# Altium PCB 400389.PcbDoc (part 4 of 8)
Units mm, origin at the board's own origin, x right, y up, seen from the top; angles counter-clockwise.
Board outline 155 x 63.5 mm, 4 copper layers (Top Layer, Mid-Layer 1, Mid-Layer 2, Bottom Layer), stack 1.508 mm thick; 434 components, 324 nets, 2167 pads, 2226 vias.
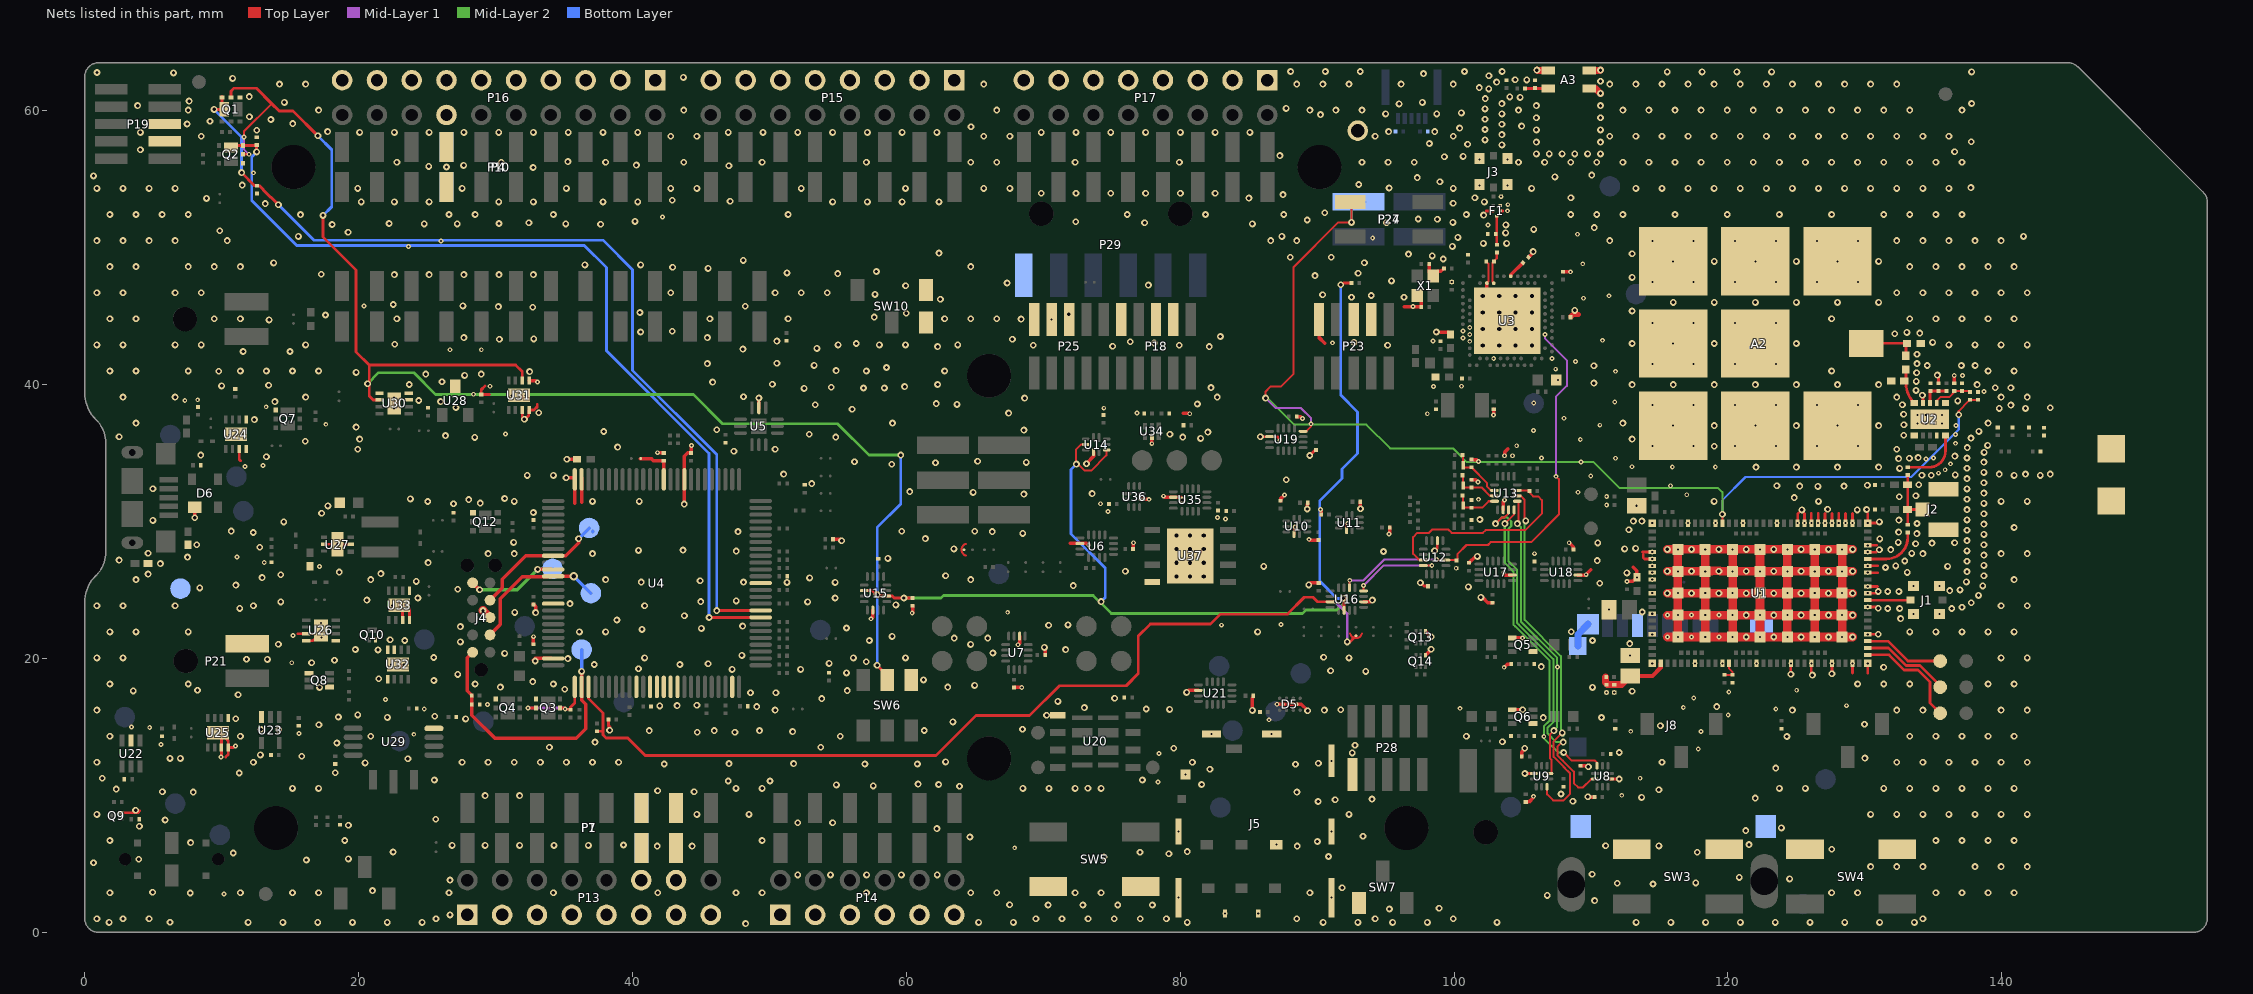
[diagram p6: the nets of this part, all layers, seen from the top]

## Via types
v1: diameter 0.5, hole 0.25, Top Layer to Bottom Layer, tented both sides, 1778 vias
v2: diameter 0.35, hole 0.15, Top Layer to Mid-Layer 1, tented both sides, 369 vias
v3: diameter 0.35, hole 0.15, Top Layer to Mid-Layer 1, tented top, 49 vias
v4: diameter 0.61, hole 0.305, Top Layer to Bottom Layer, tented both sides, 29 vias
v5: diameter 0.5, hole 0.25, Top Layer to Mid-Layer 1, tented both sides, 1 vias

## Nets (pads, with @x,y where several pads share a name; then routed paths per layer and width w, separated by ;. In a path a pad name is that pad's centre, name@x,y a point inside that pad or via, vN(x,y) a via of type N, cw(c..) or ccw(c..) an arc to the next point about the centre after c; other vN are vias at no path point) (continued)
GND: A1.2 A2.2 A3.2 C1.2 C2.2 C3.2 C4.2 C5.2 C6.2 C7.2 C8.2 C9.2 C10.2 C11.1 C14.1 C15.1 C16.1 C17.1 C18.1 C19.1 C20.2 C21.2 C22.1 C23.1 C24.1 C25.1 C26.2 C27.1 C28.2 C29.1 C30.1 C31.2 C32.1 C33.1 C34.1 C35.1 C36.1 C37.2 C38.1 C39.1 C40.2 C41.1 C42.1 C43.1 C44.1 C45.2 C46.2 C47.1 C48.2 C49.2 C50.2 C51.2 C52.2 C53.2 C54.1 C55.1 C56.2 C57.1 C58.1 C59.1 C60.2 C61.2 C62.2 C63.2 C64.2 C65.2 C66.1 C67.2 C68.1 C69.1 C70.1 C71.2 C72.1 C73.2 C74.1 C75.1 C77.1 C78.2 C79.2 C80.1 C81.2 C82.2 C83.2 C84.1 C85.2 C87.1 C88.1 C89.1 C90.1 CR1.1 D5.B1 D5.B2 D6.1 F1.2 F1.3 F1.5 FB2.2 FB3.2 J1.2 J2.2 J3.2 J4.3 J5.0 J5.C5 J8.0 J8.6 J8.9 L2.1 L5.2 P1.6 P1.7 P4.7 P7.6 P7.7 P10.7 P13.1 P13.3 P13.5 P13.7 P13.9 P13.11 P13.12 P13.13 P13.14 P13.15 P14.1 P14.3 P14.5 P14.7 P14.9 P14.11 P15.1 P15.3 P15.5 P15.7 P15.9 P15.11 P15.13 P15.15 P16.1 P16.3 P16.5 P16.7 P16.9 P16.11 P16.13 P16.14 P16.15 P16.17 P16.19 P17.1 P17.3 P17.5 P17.7 P17.9 P17.11 P17.13 P17.15 P18.3 P18.5 P18.9 P19.3 P19.5 P21.1 P23.3 P23.5 P23.9 P25.15 P25.17 P25.19 P28.1 P29.1 pad.3 Q1.1 Q2.1 Q3.1 Q4.1 Q5.1 Q5.4 Q6.1 Q6.4 Q7.1 Q8.1 Q8.4 Q9.2 Q10.2 Q12.1 Q13.1 Q14.1 R5.1 R7.1 R9.1 R13.1 R14.2 R19.2 R39.2 R42.2 R45.1 R46.1 R47.1 R48.1 R49.1 R50.1 R51.1 R52.1 R53.1 R54.1 R68.1 R69.1 R70.1 R71.1 R72.1 R77.1 R78.1 R79.1 R80.1 R81.1 R82.1 R84.1 R85.1 R87.1 R90.1 R93.1 R94.1 R98.1 R100.1 R101.2 R102.1 R105.1 SB27.1 SW3.1 SW4.1 SW5.1 SW6.1 SW7.3 SW10.1 TP42.1 TP51.1 U1.1 U1.5 U1.6 U1.7 U1.8 U1.9 U1.11 U1.14 U1.17 U1.21 U1.27 U1.31 U1.36 U1.41 U1.44 U1.47 U1.50 U1.52 U1.56 U1.60 U1.62 U1.63 U1.65 U1.66 U1.68 U1.69 U1.72 U1.74 U1.75 U1.76 U1.77 U1.78 U1.79 U1.80 U1.81 U1.82 U1.85 U1.90 U1.94 U1.98 U1.103 U2.1 U2.4 U2.6 U2.9 U2.11 U3.74 U3.A8 U3.A10 U3.AD2 U3.B7 U3.B9 U3.B11 U3.F23 U3.H2 U4.9 U4.24 U4.25 U4.41 U4.49 U4.60 U4.62 U4.63 U4.64 U4.65 U4.66 U4.74 U4.88 U5.2 U6.6 U7.6 U8.6 U9.6 U10.6 U11.6 U12.6 U13.6 U14.6 U15.6 U16.6 U17.6 U18.6 U19.6 U20.1 U21.6 U22.2 U23.3 U24.3 U24.4 U24.5 U24.9 U25.3 U25.4 U25.5 U25.9 U26.3 U26.4 U26.5 U26.9 U27.2 U27.5 U27.7 U28.3 U29.4 U30.3 U30.4 U30.5 U30.9 U31.3 U31.4 U31.5 U31.9 U32.3 U32.4 U32.5 U32.9 U33.3 U33.4 U33.5 U33.9 U34.5 U35.6 U36.6 U37.4 U37.9 X1.2 X1.4 | length 221.5
  Top Layer w0.145: C29.1@102.339,48.992 102.499,48.832 102.499,47.516 U3.F23@102.394,47.411
  Top Layer w0.2: v1@97.572,25.527 97.803,25.296 98.066,25.296 C54.1@98.089,25.273 ; R80.1@104.16,14.35 R80.1@104.195,14.315 ; v1(105.173,11.599) U9.6@105.829,11.599 ; U8.6@111.411,11.199 v1@112.042,11.199 ; 113.806,27.546 113.806,27.374 113.916,27.264 v2(114.47,27.264) ; v2(130.21,27.764) 130.831,27.764 v1@130.991,27.924 ; v2(130.21,28.264) 130.875,28.264
  Top Layer w0.203: Q9.2@2.636,8.735 3.869,8.735 4.018,8.883 ; v3(9.957,12.803) 9.978,12.824 U25.3@9.978,13.506 U25.9@9.978,14.331 ; 10.287,12.802 10.478,12.993 U25.4@10.478,13.506 ; U25.9@10.312,14.148 10.478,13.982 U25.4@10.478,13.506 ; v3(11.003,13.615) 10.963,13.615 10.853,13.506 U25.4@10.478,13.506 ; U24.3@11.286,35.299 11.286,34.523 11.367,34.442 ; 15.55,21.798 U26.3@16.172,21.798 U26.9@16.997,21.798 ; U26.4@16.172,21.298 16.65,21.298 16.713,21.361 U26.9@16.942,21.361 ; U27.5@17.478,28.345 U27.2@19.428,28.345 ; U33.3@23.212,22.802 U33.9@23.212,23.627 ; U33.9@23.644,23.677 23.712,23.61 U33.4@23.712,22.802 ; R105.1@26.939,30.65 R105.1@26.955,30.634 ; 29.235,39.903 28.956,39.624 C79.2@28.956,39.275 29.547,39.275 ; U31.3@31.949,38.176 31.949,37.6 32.055,37.495 v1@32.055,37.414 ; v1@32.131,37.44 32.426,37.734 32.426,38.12 U31.4@32.449,38.144 32.81,38.144 33.045,38.379 33.045,38.557 ; v1@85.928,36.19 U19.6@86.436,36.19 ; U19.6@86.525,36.191 87.1,36.191 87.3,35.992 v2@87.3,35.89 ; U10.6@88.319,29.073 88.319,29.518 v2(88.392,29.591) ; v1(89.459,34.823) 89.88,35.245 89.88,35.191 C65.2@89.908,35.219 ; U11.6@92.154,29.352 92.154,29.797 v2(92.227,29.87) ; v1(98.577,27.864) 98.777,28.064 U12.6@98.777,28.606 ; 102.345,52.687 F1.5@102.873,52.687 ; F1.2@103.373,52.687 103.549,52.687 ; 113.766,27.764 v2(114.47,27.764) ; v1@124.59,18.965 v2(124.59,19.644) ; v2(125.09,29.884) 125.09,30.54 v1(125.4,30.849) ; v2(125.59,29.884) 125.59,30.588 ; v1@126.09,18.962 v2(126.09,19.644) ; v2(126.09,29.884) 126.09,30.588 ; v2(126.59,29.884) 126.59,30.588 ; v2(127.09,29.884) 127.09,30.588 ; v1@127.59,18.965 v2(127.59,19.644) ; v2(127.59,29.884) 127.59,30.588 ; v2(128.09,29.884) 128.09,30.588 ; v2(128.59,29.884) 128.59,30.588 ; 129.09,18.94 v2(129.09,19.644) ; v2(129.09,29.884) 129.09,30.588 ; 130.21,18.94 v2(130.21,19.644) ; v2(130.21,21.764) v1@130.914,21.764 ; v2(130.21,23.764) v1@130.914,23.764 ; v2(130.21,24.764) v1@130.914,24.764 ; v2(130.21,25.264) 130.914,25.264 ; v2(130.21,26.264) 130.914,26.264 ; v2(130.21,26.764) 130.914,26.764 ; 130.21,30.588 v2(130.21,29.884) v1@130.914,29.884
  Top Layer w0.229: v2(87.072,16.656) 88.85,16.656 v1@89.297,16.21
  Top Layer w0.25: U3.74@102.394,46.161 U3.F23@102.394,47.411 ; C33.1@105.435,49.304 105.766,49.634 v1(105.766,49.708) ; v1@134.125,39.347 134.247,39.225 U2.4@134.247,38.653 ; v1(135.3,40.697) 135.375,40.622 C15.1@135.375,40.107 ; C17.1@136.525,40.107 v2(136.525,40.657)
  Top Layer w0.254: v1(8.035,30.271) D6.1@8.035,31.033 ; U33.9@23.162,23.677 U33.9@23.644,23.677 ; U31.5@32.449,40.294 32.935,40.294 33.045,40.184 v2(33.071,40.184) ; v1@32.766,19.882 32.885,20.001 U4.49@34.083,20.001 ; C40.2@32.766,21.036 v2(32.766,21.59) ; C39.1@32.766,23.946 32.921,23.791 v1(32.921,23.345) ; v1(35.154,33.198) 35.78,33.198 35.783,33.201 35.783,31.349 35.789,31.344 ; v1(35.204,34.544) 35.205,34.545 C37.2@35.949,34.545 ; U4.24@36.283,33.201 36.283,31.433 36.297,31.42 ; R19.2@38.247,15.545 38.247,15.068 v1@38.329,14.986 ; v2(41.834,35.027) 41.85,35.01 C46.2@42.283,35.01 ; v1(43.783,31.271) 43.783,34.767 44.026,35.01 C44.1@44.283,35.01 44.283,35.571 v2@44.298,35.585 ; U5.2@49.228,38.258 v1(49.228,39.02) ; R39.2@54.641,28.702 55.169,28.702 v1(55.27,28.6) ; v2(57.419,22.897) 57.546,23.024 U15.6@57.546,23.532 ; v2(60.427,23.317) 60.452,23.343 R69.1@60.452,23.846 ; C49.2@67.872,17.883 C49.2@67.872,17.883 v2(68.428,17.882) ; v2(68.145,20.999) 68.272,21.126 U7.6@68.272,21.634 ; v1(70.079,20.803) 70.135,20.746 R45.1@70.135,20.244 ; 71.974,28.4 73.185,28.4 v2(73.312,28.273) ; v1@73.203,34.163 73.203,34.29 73.67,34.757 U14.6@73.67,35.052 ; C48.2@76.555,28 76.555,28.396 76.581,28.422 v2(76.581,28.448) ; U36.6@77.201,31.626 77.721,31.626 v2(77.724,31.623) ; v2(77.927,35.687) U34.5@77.927,36.201 ; v3(78.778,31.852) 78.804,31.852 78.883,31.772 U35.6@79.496,31.772 v1@80.023,31.772 ; 80.219,37.897 80.644,37.897 v3@80.67,37.871 ; v1(80.467,17.526) 80.615,17.674 U21.6@81.325,17.674 ; 85.268,16.485 85.268,17.106 85.322,17.16 85.322,17.266 C68.1@85.33,17.274 ; R50.1@87.325,31.527 87.325,31.648 v2(87.605,31.927) ; R72.1@88.499,37.668 88.773,37.668 v2(88.925,37.516) ; v1@89.281,30.861 89.281,31.262 C52.2@89.312,31.293 ; v1(89.383,25.375) 89.52,25.512 C62.2@90.112,25.512 ; v2(89.408,28.702) 89.464,28.646 R51.1@90.094,28.646 ; P23.9@90.135,44.75 90.135,43.438 90.546,43.027 90.555,43.027 ; v2(90.246,30.886) 90.291,30.841 R52.1@90.291,30.505 ; C53.2@93.147,31.445 93.147,30.841 93.167,30.861 v1(93.167,30.937) ; U16.6@93.393,24.138 v1@93.901,24.138 ; v2@95.306,29.14 R53.1@95.306,29.566 ; 96.368,45.669 C20.2@97.607,45.669 X1.2@97.607,46.178 ; Q13.1@97.913,21.964 97.949,21.964 v1(98.323,21.59) ; Q14.1@97.938,20.285 97.965,20.312 97.986,20.312 98.323,20.649 v1(98.323,20.676) ; C21.2@98.177,48.743 98.177,48.208 98.467,47.918 98.467,47.968 98.765,48.266 99.035,48.266 99.235,48.466 99.25,48.466 99.258,48.474 C26.2@99.258,48.489 ; 99.035,43.815 99.582,43.815 C18.1@99.735,43.662 ; C63.2@101.092,26.98 101.569,27.457 v1(101.702,27.457) ; C57.1@101.27,33.051 101.594,33.051 v2(101.752,32.893) ; C56.2@101.27,34.524 101.645,34.524 v2(101.778,34.392) ; v1(101.956,24.46) 102.073,24.46 102.452,24.082 102.811,24.082 R70.1@102.819,24.074 ; v2(102.87,37.77) 102.87,37.796 102.895,37.821 C28.2@102.895,38.196 ; U13.6@103.584,30.855 103.584,31.448 103.683,31.546 v2(103.683,31.572) ; v2(103.633,26.287) 103.633,26.229 103.62,26.216 103.75,26.085 U17.6@104.258,26.085 ; v3(103.657,19.355) 103.88,19.577 104.163,19.577 104.171,19.585 R78.1@104.171,19.6 ; v2(103.683,34.804) 103.698,34.804 103.706,34.812 103.706,35.075 103.937,35.306 ; Q6.1@104.25,16.25 v1(105,16.25) ; Q5.1@104.25,21.5 v2(105,21.5) ; R48.1@104.947,12.827 104.947,13.165 v1@105.156,13.374 ; R49.1@105.232,9.519 105.469,9.519 105.791,9.841 v2(105.791,9.931) ; C35.1@107.958,48.248 108.495,48.248 v2(108.509,48.235) ; v2(108.407,28.448) 108.71,28.146 108.71,27.973 R71.1@108.718,27.965 ; C36.1@108.497,44.915 108.497,44.93 C36.1@108.552,44.985 ; U18.6@109.042,26.085 109.592,26.085 109.982,26.476 ; C50.2@109.221,12.172 109.656,12.172 v1@109.738,12.09 ; v1@109.785,9.873 110.248,9.873 R46.1@110.256,9.881 ; v2(112.619,25.628) 113.048,25.628 v2(113.347,25.926) 113.347,26.415 113.093,26.668
  Top Layer w0.381: C36.1@108.552,44.985 108.567,44.985 108.692,45.11 109.093,45.11
  Top Layer w0.508: v1(106.042,62.966) 106.079,62.929 A3.2@106.866,62.929 ; A3.2@109.866,61.629 110.328,61.629 v1(110.691,61.266) ; A3.2@109.866,62.929 110.652,62.929 v1(110.691,62.968) ; v2(118.34,27.964) U1.103@118.458,27.964 ; v2(120.34,27.964) U1.103@120.34,27.999
  Top Layer w0.635: v1(29.083,23.496) J4.3@29.591,22.988 ; v2(115.578,21.564) v1(129.102,21.564) ; v2(115.578,23.164) v1(129.102,23.164) ; v1(115.578,24.764) v1(129.102,24.764) ; v1(115.578,26.364) 118.802,26.364 118.838,26.4 119.412,26.4 119.448,26.364 v1(129.102,26.364) ; v1(115.578,27.964) v1(129.102,27.964) ; v2(116.34,21.564) v2(116.34,27.964) ; v2(118.34,21.564) v2(118.34,27.964) ; v2(120.34,21.564) v2(120.34,27.964) ; v2(122.34,21.564) v2(122.34,27.964) ; v2(124.34,21.564) v2(124.34,27.964) ; v2(126.34,21.564) v2(126.34,27.964) ; v2(128.34,21.564) v2(128.34,27.964)
  Bottom Layer w0.508: J8.9@109.04,20.9 109.04,21.75 J8.0@109.79,22.5
  other v1: 48.26,0.636 1.772,0.724 6.223,0.738 11.932,0.724 14.472,0.724 17.012,0.724 19.552,0.724 22.092,0.724 24.632,0.724 65.272,0.724 67.812,0.724 80.512,0.724 90.432,0.724 92.972,0.724 95.512,0.724 98.052,0.724 103.132,0.724 113.292,0.724 115.832,0.724 118.372,0.724 120.912,0.724 123.452,0.724 125.992,0.724 128.532,0.724 131.072,0.724 133.612,0.724 0.883,0.988 2.788,0.988 4.693,0.988 25.648,0.988 69.463,0.988 71.368,0.988 73.273,0.988 75.178,0.988 77.083,0.988 78.988,0.988 88.513,0.988 94.228,0.988 99.943,0.988 134.233,0.988 26.67,1.271 95.275,1.702 98.908,1.753 67.539,2.008 70.352,1.994 72.892,1.994 75.432,1.994 77.972,1.994 110.261,2.311 106.8,2.7 7.696,2.871 1.835,2.893 11.36,2.893 15.17,2.893 17.075,2.893 26.6,2.893 34.22,2.893 41.84,2.893 47.555,2.893 49.46,2.893 57.08,2.893 64.7,2.893 66.605,2.893 72.32,2.893 74.225,2.893 89.465,2.893 127.565,2.893 129.47,2.893 135.185,2.893 137.09,2.893 138.995,2.893 140.9,2.893 4.953,2.922 21.012,3.049 91.821,3.251 114.529,3.531 111.912,3.581 117.653,3.607 26.67,3.811 124.5,3.9 120.828,4.013 52.07,4.192 54.458,4.192 57.099,4.192 59.639,4.192 62.255,4.192 110.084,4.242 130.423,4.798 132.328,4.798 134.233,4.798 138.043,4.798 139.948,4.798 141.853,4.798 0.635,5.081 16.18,5.283 3.937,5.335 19.253,5.359 74.422,5.512 90.83,5.537 79.172,5.74 10.846,5.791 77.064,5.842 117.754,5.842 22.519,5.863 80.518,5.893 127.583,6.063 41.808,6.3 44.348,6.3 88.544,6.299 111.064,6.321 114.958,6.31 26.822,6.351 29.235,6.351 31.75,6.351 34.265,6.351 36.779,6.351 39.345,6.376 121.539,6.401 7.732,6.552 90.018,6.629 1.835,6.703 18.98,6.703 49.46,6.703 135.185,6.703 137.09,6.703 138.995,6.703 140.9,6.703 64.643,6.96 93.345,7.01 121.3,7.425 62.23,7.57 123.9,7.625 3.988,7.747 19.253,7.823 52.07,8.002 54.61,8.002 5.867,8.204 25.629,8.255 0.883,8.608 44.698,8.608 48.508,8.608 92.323,8.608 130.423,8.608 132.328,8.608 134.233,8.608 136.138,8.608 138.043,8.608 139.948,8.608 141.853,8.608 3.708,8.915 90.068,9.55 108.675,9.575 91.313,9.677 94.005,9.728 121.996,9.804 113.69,9.855 109.775,9.9 29.235,9.983 31.75,9.983 107.806,10.103 7.925,10.237 88.519,10.236 5.664,10.263 44.501,10.263 41.834,10.339 114.96,10.414 2.299,10.456 15.17,10.513 17.075,10.513 47.555,10.513 49.46,10.513 68.51,10.513 70.415,10.513 72.32,10.513 73.254,10.516 74.225,10.513 123.755,10.513 125.66,10.513 131.375,10.513 133.28,10.513 135.185,10.513 137.09,10.513 138.995,10.513 140.9,10.513 63.881,10.669 57.582,10.694 54.889,10.771 62.357,10.796 81.559,10.795 60.858,10.82 46.99,11.05 50.038,11.05 25.527,11.125 77.241,11.125 112.067,11.199 1.27,11.254 11.278,11.634 18.288,11.654 82.169,11.913 123.495,11.989 109.804,12.09 88.417,12.268 42.316,12.294 56.972,12.294 60.808,12.294 47.045,12.321 51.765,12.319 90.094,12.344 20.473,12.371 0.883,12.418 12.313,12.418 27.553,12.418 29.458,12.418 31.363,12.418 33.268,12.418 35.173,12.418 37.078,12.418 38.983,12.418 80.893,12.418 115.183,12.418 132.328,12.418 134.233,12.418 136.138,12.418 138.043,12.418 139.948,12.418 141.853,12.418 62.865,12.447 23.6,12.679 6.223,12.701 6.985,12.701 129.997,12.725 15.85,12.852 12.827,12.955 92.558,13.106 112.065,13.132 79.527,13.437 105.156,13.437 33.934,13.513 53.746,13.513 92.761,13.665 18.415,13.827 37.262,13.894 103.53,13.919 124.308,14.3 1.835,14.323 11.36,14.323 20.885,14.323 55.175,14.323 100.895,14.323 133.28,14.323 135.185,14.323 137.09,14.323 138.995,14.323 140.9,14.323 44.729,14.605 47.473,14.605 51.689,14.656 41.224,14.732 45.974,14.732 49.276,14.732 61.301,14.738 38.329,14.757 12.878,14.809 14.164,14.804 68.478,14.834 115.062,15.088 17.094,15.164 129.972,15.189 63.398,15.367 11.024,15.597 27.813,15.584 106.512,15.682 22.098,15.697 110.763,15.69 18.517,15.723 25.552,15.773 70.24,15.851 19.939,15.876 89.306,16.18 85.268,16.205 0.883,16.228 50.413,16.228 90.526,16.231 124.708,16.228 132.328,16.228 134.233,16.228 139.948,16.228 141.853,16.228 91.719,16.256 79.223,16.281 77.521,16.307 73,16.408 49.073,16.485 119.177,16.485 41.986,16.535 43.256,16.561 44.704,16.586 71.069,16.866 53.823,17.069 75.209,17.094 11.201,17.348 48.616,17.501 50.47,17.501 113.005,17.602 3.537,17.633 55.677,17.653 8.23,17.679 35.052,17.755 17.145,17.882 110.109,17.882 30.353,17.907 63.017,17.907 64.984,18.036 1.835,18.133 7.55,18.133 28.505,18.133 34.22,18.133 129.47,18.133 131.375,18.133 133.28,18.133 138.995,18.133 140.9,18.133 32.713,18.307 25.498,18.389 61.25,18.438 21.463,18.518 126.163,18.787 27.233,18.833 124.6,18.85 127.587,18.886 55.626,18.948 93.548,19.05 90.983,19.101 47.269,19.202 52.273,19.202 40.437,19.253 131.369,19.355 106.367,19.4 37.211,19.558 43.459,19.558 45.517,19.609 54.356,19.634 16.561,19.685 57.074,19.761 32.893,19.812 18.237,19.864 11.811,19.94 13.335,19.936 35.281,19.99 0.883,20.038 2.788,20.038 40.888,20.038 56.128,20.038 59.938,20.038 92.323,20.038 139.948,20.038 141.853,20.038 25.48,20.067 90.475,20.091 47.986,20.227 30.658,20.371 66.319,20.396 21.412,20.626 19.761,20.651 71.628,20.65 14.136,21.032 64.694,21.031 112.827,21.082 27.432,21.209 23.368,21.312 57.302,21.311 110.109,21.311 22.301,21.362 63.5,21.488 65.938,21.488 121.34,21.564 123.34,21.564 125.34,21.564 127.34,21.564 58.953,21.615 130.972,21.764 1.835,21.943 3.74,21.943 7.55,21.943 36.125,21.943 38.03,21.943 85.655,21.943 108.56,21.946 133.28,21.943 135.185,21.943 137.09,21.943 138.995,21.943 140.9,21.943 40.691,22.123 45.034,22.2 55.626,22.226 27.432,22.327 48.037,22.36 70.383,22.428 71.806,22.454 38.862,22.809 132.613,22.911 43.79,23.114 121.34,23.164 123.34,23.164 125.34,23.164 127.34,23.164 31.394,23.368 113.741,23.393 11.32,23.652 131.674,23.647 132.537,23.647 136.345,23.647 130.972,23.662 137.093,23.742 0.883,23.848 2.788,23.848 6.598,23.848 12.313,23.848 40.888,23.848 139.948,23.848 141.853,23.848 59.238,23.916 35.433,24.003 137.773,24.068 14.316,24.131 52.788,24.132 44.983,24.155 47.574,24.206 20.6,24.258 94.031,24.257 24.324,24.416 54.796,24.416 138.299,24.608 117.34,24.764 119.34,24.764 121.34,24.764 123.34,24.764 125.34,24.764 127.34,24.764 130.972,24.891 131.674,24.892 132.486,24.892 136.193,24.958 136.946,25.004 27.233,25.048 8.396,25.151 101.041,25.222 138.612,25.294 72.187,25.324 11.04,25.357 110.636,25.496 97.536,25.527 51.283,25.552 54.796,25.557 40.64,25.578 48.108,25.578 137.416,25.594 24.206,25.63 44.933,25.679 3.74,25.753 20.885,25.753 38.03,25.753 64.7,25.753 140.9,25.753 52.934,25.883 12.954,25.909 62.865,26.035 138.691,26.044 14.316,26.116 4.628,26.163 21.621,26.198 112.623,26.248 133.096,26.289 18.583,26.305 137.457,26.347 75.997,26.365 117.34,26.364 119.34,26.364 121.34,26.364 123.34,26.364 125.34,26.364 127.34,26.364 131.504,26.64 86.1,26.719 136.042,26.721 132.249,26.758 138.691,26.798 5.517,26.925 25.072,27.001 137.457,27.101 132.913,27.115 110.45,27.145 2.502,27.179 58.649,27.305 7.5,27.4 138.691,27.552 29.458,27.658 31.363,27.658 37.078,27.658 134.233,27.658 139.948,27.658 141.853,27.658 4.628,27.687 133.42,27.673 94.844,27.813 47.574,27.838 137.457,27.855 40.437,27.889 43.688,27.915 131.064,27.94 117.34,27.964 119.34,27.964 121.34,27.964 123.34,27.964 125.34,27.964 127.34,27.964 131.892,27.951 63.474,28.001 112.45,28.001 113.257,28.034 12.776,28.119 8.181,28.305 138.691,28.306 133.701,28.372 134.899,28.423 110.491,28.439 136.55,28.448 31.318,28.473 132.433,28.476 137.457,28.609 131.089,28.727 61.392,28.753 138.691,29.06 68.504,29.134 133.794,29.121 12.3,29.2 132.466,29.23 47.701,29.261 66.269,29.261 59.665,29.286 64.999,29.286 10.7,29.3 137.457,29.363 112.764,29.4 140.9,29.563 138.691,29.814 133.805,29.855 14.529,29.973 131.064,29.972 113.098,30.028 113.716,30.028 4.978,30.085 132.48,30.105 137.457,30.117 101.879,30.15 138.691,30.568 17.292,30.608 32.766,30.658 129.438,30.849 137.457,30.871 130.13,30.88 89.281,30.912 127.279,30.9 17.755,31.14 26.924,31.293 138.691,31.322 28.88,31.344 25.047,31.462 31.363,31.468 37.078,31.468 40.488,31.471 118.993,31.468 126.613,31.468 139.948,31.468 141.853,31.468 80.162,31.572 28.042,31.598 137.457,31.625 23.774,31.648 30.662,31.679 124.841,31.75 132.505,31.805 133.73,31.88 68.58,32.004 73.569,32.042 138.691,32.076 64.872,32.131 60.249,32.182 137.457,32.379 4.978,32.396 126.568,32.563 125.247,32.588 128.473,32.588 123.571,32.614 130.18,32.652 133.93,32.68 53.086,32.766 138.691,32.83 87.747,33.05 137.457,33.133 32.315,33.373 34.22,33.373 134.163,33.376 134.849,33.376 140.9,33.373 142.805,33.373 136.601,33.401 51.037,33.467 139.814,33.467 141.73,33.467 143.534,33.467 138.691,33.584 132.537,33.884 137.457,33.887 122.047,33.975 125,33.975 128,33.975 131,33.975 58.928,34.177 73.152,34.214 62.128,34.29 68.758,34.315 138.691,34.338 56.21,34.366 65.202,34.402 132.461,34.595 133.248,34.62 137.457,34.641 133.883,34.671 13.264,34.727 136.576,34.773 8.471,34.85 138.709,35.052 47.402,35.128 19.933,35.278 50.413,35.278 132.328,35.278 137.477,35.394 38.913,35.433 119,35.5 138.963,35.56 16.104,35.865 20.066,36.017 113,36.017 81.483,36.068 137.752,36.096 28.473,36.144 54.839,36.17 80.188,36.17 2.502,36.196 85.852,36.195 26.34,36.271 132.836,36.303 52.908,36.373 79.248,36.373 82.017,36.525 37.897,36.576 138.33,36.58 68.58,36.678 46.152,36.703 19.812,36.891 119,37 125,37 131,37 132.847,37.068 3.74,37.183 58.985,37.183 112.325,37.183 138.995,37.183 12.383,37.441 32.106,37.465 132.828,37.838 67.462,37.922 33.147,37.948 56.032,38.202 139.814,38.257 141.73,38.257 143.534,38.304 27.102,38.33 140.664,38.499 53.34,38.532 132.74,38.532 63.696,38.556 81.255,38.583 62.179,38.608 13.881,38.761 25.99,38.758 136.779,38.811 24.384,38.838 68.631,39.014 2.788,39.088 6.598,39.088 16.123,39.088 82.702,39.091 132.328,39.088 139.948,39.088 141.853,39.088 48.108,39.116 134.2,39.222 133.731,39.573 52.527,39.726 56.871,39.751 58.395,39.751 82.245,39.776 139.521,39.769 140.664,39.769 54.508,39.802 59.868,39.853 9.995,39.904 13.424,39.953 23.698,40.006 62.278,40.006 113,40 116,40 119,40 122,40 125,40 128,40 131,40 138.2,39.997 50.216,40.03 110.211,40.107 45.847,40.183 26.086,40.209 133.756,40.234 27.737,40.675 24.899,40.768 28.956,40.762 133.782,40.869 19.812,40.894 32.487,40.945 9.779,40.969 1.835,40.993 3.74,40.993 7.55,40.993 11.36,40.993 13.265,40.993 15.17,40.993 17.075,40.993 57.08,40.993 62.795,40.993 127.565,40.993 138.995,40.993 140.9,40.993 54.864,41.021 58.547,41.25 110.211,41.377 53.264,41.402 134.55,41.397 137.05,41.397 138.05,41.397 45.466,41.529 133.807,41.529 50.546,41.554 133.807,42.215 11.557,42.419 14.986,42.419 48.057,42.596 53.467,42.647 62.278,42.775 82.118,42.774 75.057,42.8 69.266,42.875 79.934,42.875 95.148,42.875 0.883,42.898 2.788,42.898 6.598,42.898 8.503,42.898 16.123,42.898 55.016,42.901 58.033,42.898 59.938,42.898 63.748,42.898 136.138,42.898 138.043,42.898 139.948,42.898 141.853,42.898 22.631,42.951 56.337,43.002 113,43 119,43 125,43 78.105,43.028 92.685,43.078 134.95,43.078 76.352,43.129 50.546,43.18 30.277,43.308 67.742,43.307 32.791,43.333 27.686,43.435 45.466,43.435 82.931,43.51 132.182,43.713 134.01,43.764 133.071,43.815 40.589,43.84 98.704,43.84 42.901,43.892 13.462,44.729 68.377,44.78 1.835,44.803 3.74,44.803 9.455,44.803 11.36,44.803 22.79,44.803 45.65,44.803 51.365,44.803 62.795,44.803 64.7,44.803 66.605,44.803 127.565,44.803 133.28,44.803 135.185,44.803 137.09,44.803 138.995,44.803 140.9,44.803 57.658,44.933 17.577,45.085 71.857,45.136 59.995,45.212 40.538,45.263 113,45.374 108.814,45.419 32.715,45.644 30.201,45.695 48.235,45.72 27.61,45.745 22.53,45.847 116,46 119,46 122,46 125,46 128,46 131,46 62.484,46.228 92.507,46.38 96.342,46.38 93.955,46.507 90.399,46.558 57.709,46.584 0.883,46.708 2.788,46.708 6.598,46.708 8.503,46.708 42.793,46.708 50.413,46.708 52.318,46.708 54.223,46.708 132.328,46.708 134.233,46.708 136.138,46.708 138.043,46.708 139.948,46.708 141.853,46.708 59.944,47.219 77.673,47.269 67.361,47.422 95.428,47.574 113,47.83 89.84,47.955 22.606,48.031 25.146,48.031 27.686,48.031 30.251,48.031 32.766,48.031 17.272,48.057 54.991,48.108 92.989,48.133 51.283,48.158 57.81,48.26 45.517,48.489 42.926,48.565 1.835,48.613 3.74,48.613 7.55,48.613 9.455,48.613 11.36,48.613 64.7,48.613 133.28,48.613 135.185,48.613 137.09,48.613 138.995,48.613 140.9,48.613 36.525,48.743 40.589,48.743 13.789,48.883 93.447,48.895 119,49 125,49 131,49 48.082,49.073 99.212,49.174 88.036,49.301 91.034,49.301 98.4,49.403 96.672,49.53 113,49.55 62.382,49.606 99.873,50.089 102.144,50.311 103.838,50.311 0.883,50.518 2.788,50.518 4.693,50.518 6.598,50.518 10.408,50.518 86.608,50.518 88.513,50.518 111.373,50.518 132.328,50.518 134.233,50.518 136.138,50.518 138.043,50.518 139.948,50.518 100.279,50.749 15.596,50.825 87.427,50.825 141.586,50.821 103.759,51.079 19.228,51.13 9.855,51.234 105.816,51.333 110.236,51.46 103.784,51.664 18.059,51.689 37.668,51.714 24.79,51.74 27.203,51.74 35.128,51.74 85.268,51.74 22.225,51.765 30.251,51.765 32.436,51.816 77.394,51.816 95.072,51.816 99.909,51.844 72.365,51.892 40.183,51.918 89.281,52.019 98.781,52.07 97.384,52.095 102.159,52.375 1.835,52.423 3.74,52.423 5.645,52.423 7.55,52.423 15.756,52.419 26.6,52.423 28.505,52.423 34.22,52.423 51.365,52.423 76.13,52.423 81.845,52.423 87.56,52.423 100.895,52.423 108.515,52.423 110.42,52.423 112.325,52.423 116.135,52.423 119.945,52.423 123.755,52.423 127.565,52.423 131.375,52.423 133.28,52.423 135.185,52.423 137.09,52.423 90.551,52.553 13.183,53.213 99.924,53.238 20.193,53.341 22.606,53.341 25.146,53.341 30.226,53.341 32.766,53.341 37.846,53.341 40.386,53.341 54.61,53.341 57.15,53.341 59.69,53.341 62.383,53.341 102.21,53.34 47.124,53.395 42.901,53.467 8.89,53.595 85.014,53.619 101.524,53.645 108.534,53.645 87.503,53.873 69.85,53.976 72.39,53.976 74.93,53.976 77.47,53.976 80.01,53.976 82.55,53.976 0.883,54.328 2.788,54.328 4.693,54.328 6.598,54.328 19.933,54.328 27.553,54.328 35.173,54.328 42.793,54.328 44.698,54.328 52.318,54.328 59.938,54.328 65.653,54.328 67.558,54.328 99.943,54.328 105.658,54.328 113.278,54.328 115.183,54.328 117.088,54.328 118.993,54.328 120.898,54.328 122.803,54.328 124.708,54.328 126.613,54.328 128.518,54.328 130.423,54.328 132.328,54.328 134.233,54.328 136.138,54.328 95.25,54.356 137.744,54.381 11.496,54.566 93.04,54.611 98.958,54.813 97.307,55.118 107.366,55.169 0.635,55.246 110.058,55.296 32.741,55.855 26.416,55.891 25.121,55.931 47.041,55.982 27.661,56.007 40.284,56.032 22.79,56.233 30.41,56.233 38.03,56.233 43.745,56.233 49.46,56.233 57.08,56.233 64.7,56.233 66.605,56.233 72.32,56.233 79.94,56.233 93.275,56.233 95.18,56.233 97.085,56.233 104.705,56.233 106.61,56.233 108.515,56.233 110.42,56.233 112.325,56.233 114.23,56.233 116.135,56.233 118.04,56.233 119.945,56.233 121.85,56.233 123.755,56.233 125.66,56.233 127.565,56.233 129.47,56.233 131.375,56.233 133.28,56.233 135.185,56.233 137.09,56.233 35.281,56.286 99.289,56.642 100.658,56.667 87.274,56.718 106.009,56.846 106.949,56.846 107.888,56.846 108.811,56.846 109.751,56.846 110.691,56.846 136.55,57 4.064,57.151 103.49,57.505 100.988,57.556 98.196,57.607 106.009,57.71 110.691,57.71 137.77,57.734 102.256,57.874 8.503,58.138 42.793,58.138 44.698,58.138 65.653,58.138 67.558,58.138 94.228,58.138 99.943,58.138 111.373,58.138 113.278,58.138 115.183,58.138 117.088,58.138 118.993,58.138 120.898,58.138 122.803,58.138 124.708,58.138 126.613,58.138 128.518,58.138 130.423,58.138 132.328,58.138 134.233,58.138 136.138,58.138 103.49,58.259 4.064,58.421 20.066,58.421 22.606,58.421 25.146,58.421 27.686,58.421 30.226,58.421 32.766,58.421 35.306,58.421 37.846,58.421 40.386,58.421 46.99,58.421 49.53,58.421 52.07,58.421 54.61,58.421 57.15,58.421 59.69,58.421 62.23,58.421 69.85,58.421 72.39,58.421 74.93,58.421 77.47,58.421 80.01,58.421 82.55,58.421 85.09,58.421 17.729,58.472 95.219,58.472 98.583,58.472 12.562,58.579 106.009,58.599 110.691,58.599 102.256,58.628 100.404,58.734 64.719,58.826 104.927,58.877 103.49,59.013 7.467,59.031 15.189,59.055 9.144,59.233 13.589,59.36 102.256,59.382 106.009,59.488 110.691,59.488 12.02,59.564 90.246,59.715 94.996,59.766 98.73,59.766 103.49,59.767 100.533,59.842 7.55,60.043 17.075,60.043 43.745,60.043 66.605,60.043 89.465,60.043 91.37,60.043 93.275,60.043 104.705,60.043 112.325,60.043 114.23,60.043 116.135,60.043 118.04,60.043 119.945,60.043 121.85,60.043 123.755,60.043 125.66,60.043 127.565,60.043 129.47,60.043 131.375,60.043 133.28,60.043 137.09,60.043 102.256,60.136 87.732,60.173 3.861,60.377 106.009,60.377 110.691,60.377 95.987,60.503 103.49,60.521 137.795,60.528 14.58,60.604 97.688,60.604 7.62,60.707 102.271,60.89 104.825,60.977 104.062,61.012 12.014,61.036 102.532,61.597 101.84,61.692 14.218,61.948 16.123,61.948 65.653,61.948 88.513,61.948 90.418,61.948 92.323,61.948 96.133,61.948 99.943,61.948 111.373,61.948 113.278,61.948 115.183,61.948 117.088,61.948 118.993,61.948 120.898,61.948 122.803,61.948 124.708,61.948 126.613,61.948 128.518,61.948 130.423,61.948 132.328,61.948 103.104,62.089 110.691,62.155 104.452,62.262 105.306,62.256 10.795,62.358 43.713,62.434 102.54,62.56 97.765,62.713 6.477,62.764 0.889,62.79 115.57,62.841 118.11,62.841 120.65,62.841 123.19,62.841 137.795,62.84 88.061,62.864 90.601,62.864 93.141,62.864 100.761,62.864 103.502,62.864
  other v2: 83.259,1.377 85.699,1.377 79.884,2.527 91.059,2.527 10.16,2.795 87.019,6.397 79.884,7.377 91.059,7.377 112.243,10.008 78.367,10.974 113.589,11.252 80.384,11.527 91.059,12.527 117.831,13.386 5.563,13.717 106.553,14.3 24.027,14.457 82.279,14.477 86.679,14.477 15.646,14.529 118.034,14.656 112.903,14.681 3.404,14.987 86.487,15.521 120.015,15.875 24.79,16.307 123.495,16.307 100.432,16.358 116.738,16.408 128.65,16.55 29.413,16.637 21.971,16.993 117.5,17.12 111.136,17.507 111.696,17.507 120.066,17.551 125.019,17.678 107.544,19.38 22.352,19.559 23.292,19.559 114.47,19.644 117.59,19.644 119.59,19.644 122.09,19.644 15.113,19.686 112.861,20.228 17.272,21.54 117.34,21.564 119.34,21.564 15.215,21.667 114.47,21.764 83.007,22.428 87.351,22.479 17.247,22.582 116.34,23.164 117.34,23.164 118.34,23.164 119.34,23.164 120.34,23.164 122.34,23.164 124.34,23.164 126.34,23.164 128.34,23.164 133.55,23.239 135.45,23.239 114.47,23.264 67.399,23.37 111.315,23.56 22.454,23.852 23.419,23.902 114.47,24.764 116.34,24.764 118.34,24.764 120.34,24.764 122.34,24.764 124.34,24.764 126.34,24.764 128.34,24.764 133.55,25.289 135.45,25.289 114.47,25.764 114.47,26.264 116.34,26.364 118.34,26.364 120.34,26.364 122.34,26.364 124.34,26.364 126.34,26.364 128.34,26.364 100.152,26.588 17.145,26.721 114.47,26.764 13.106,27.001 11.115,27.414 105.877,27.65 18.453,28.345 95.25,29.083 114.47,29.884 117.09,29.884 119.09,29.884 121.09,29.884 123.59,29.884 83.312,30.175 82.728,30.302 74.727,30.734 113.335,31.152 111.145,31.217 74.171,31.298 101.778,31.623 111.145,31.826 116.992,31.953 109.058,32.139 115.799,32.614 109.982,33.325 135.382,33.528 135.865,33.782 115.937,33.987 119.077,33.987 11.697,34.011 113,34 13.018,34.087 136.246,34.214 109.261,34.344 134.468,34.569 111.785,34.62 106.387,34.632 135.001,34.646 104.267,34.804 114.5,35.5 117.5,35.5 120.5,35.5 123.5,35.5 126.5,35.5 129.5,35.5 104.572,35.535 44.298,35.56 136.627,35.712 87.274,35.916 109.22,35.992 10.554,36.348 136.627,36.347 11.443,36.374 30.734,36.398 105.791,36.652 116,37 122,37 128,37 136.652,37.008 110.642,37.033 17.6,37.1 133.847,37.165 134.447,37.165 135.047,37.165 135.647,37.165 108.026,37.541 133.847,37.765 134.447,37.765 135.047,37.765 135.647,37.765 98.044,37.871 22.589,38.253 13.246,38.379 114.5,38.5 117.5,38.5 120.5,38.5 123.5,38.5 126.5,38.5 129.5,38.5 105.816,38.659 111.735,38.735 7.303,38.837 8.242,38.888 22.589,39.066 31.166,39.219 32.199,39.219 28.397,39.295 138.7,39.497 29.591,39.879 107.58,40.343 137.125,40.672 111.785,40.97 107.417,41.123 114.5,41.5 117.5,41.5 120.5,41.5 123.5,41.5 108.864,41.681 107.144,41.911 26.67,42.546 28.956,42.546 116,43 122,43 101.144,43.161 98.45,43.18 110.846,43.231 100.644,43.411 100.644,43.911 114.5,44.5 117.5,44.5 120.5,44.5 123.5,44.5 70.612,44.75 20.396,45.745 109.449,46.304 111.303,46.482 99.83,47.486 114.5,47.5 117.5,47.5 120.5,47.5 123.5,47.5 126.5,47.5 129.5,47.5 109.398,48.819 116,49 122,49 128,49 114.5,50.5 117.5,50.5 120.5,50.5 123.5,50.5 126.5,50.5 129.5,50.5 109.017,50.978 103.899,52.691 103.924,53.141 103.42,53.723
  other v3: 67.908,6.17 78.451,13.055 9.296,14.555 10.16,14.581 4.737,14.957 109.646,26.115 80.696,37.871 76.835,37.922 74.422,38.278 98.501,39.853 100.533,39.878 102.894,41.911 91.11,43.053 101.144,43.661 101.144,44.161 97.003,45.695 23.647,50.089 26.01,50.495 94.056,50.698 102.466,51.646 42.189,52.248 101.852,54.535 103.898,54.55 12.311,55.465 101.848,56.45 103.898,56.45
  other v4: 79.721,25.983 80.721,25.983 81.721,25.983 79.721,26.983 80.721,26.983 81.721,26.983 79.721,27.983 80.721,27.983 81.721,27.983 79.721,28.983 80.721,28.983 81.721,28.983 102.094,42.861 103.294,42.861 104.494,42.861 105.694,42.861 102.094,44.061 103.294,44.061 104.494,44.061 105.694,44.061 102.094,45.261 103.294,45.261 104.494,45.261 105.694,45.261 102.094,46.461 103.294,46.461 104.494,46.461 105.694,46.461
GPS_EN: P24.1 P27.2 R8.1 R9.2 U1.93 U19.16 | length 88
  Top Layer w0.15: v1(86.233,39.014) 86.233,39.498 86.58,39.845 87.33,39.845 88.278,40.794 88.278,48.585 91.534,51.841 v1(92.507,51.841) 92.507,52.915 P24.1@92.933,53.341 ; U19.16@88.975,36.591 89.209,36.591 89.56,36.943 v2(89.56,37.135) ; U1.93@119.59,29.884 v1(119.59,30.531) ; v1(136.855,37.795) 136.855,38.067 137.6,38.812 137.6,38.827 137.66,38.887 R8.1@137.675,38.887 R9.2@138.25,38.887
  Mid-Layer 1 w0.15: v1(86.233,39.014) 86.97,38.278 88.818,38.278 89.56,37.535 v2(89.56,37.135)
  Mid-Layer 2 w0.15: v1(86.233,39.014) 86.328,39.014 86.441,38.901 86.491,38.901 88.316,37.076 93.592,37.076 95.326,35.341 99.917,35.341 100.901,34.356 110.176,34.356 112.072,32.46 119.268,32.46 119.59,32.138 v1(119.59,30.531)
  Bottom Layer w0.15: v1(92.507,51.841) 92.507,53.29 92.456,53.341 P27.2@93.028,53.341 P27.2@93.536,53.341 ; v1(119.59,30.531) 119.59,31.554 121.285,33.249 133.382,33.249 136.855,36.722 v1(136.855,37.795)
GPS_RF1: C12.2 U1.67 | length 4.2
  Top Layer w0.203: U1.67@130.21,27.264 131.565,27.264 ccw(c131.565,28.829) 133.13,28.829 C12.2@133.13,29.195
GPS_RF2: C12.1 C13.2 J2.1 L3.2 L4.1 | length 4.7
  Top Layer w0.203: L4.1@133.105,30.88 L4.1@133.13,30.88 ; C12.1@133.13,29.765 L4.1@133.13,30.88 ; C13.2@133.13,33.397 133.13,32.68 L4.1@133.13,30.88 ; J2.1@134.205,30.88 L4.1@133.13,30.88
GPS_RF3: C13.1 U2.10 | length 4.6
  Top Layer w0.203: C13.1@133.13,33.967 134.696,33.967 ccw(c134.696,35.16) 135.89,35.16 U2.10@135.89,36.277
GPS_RF4: L5.1 R4.1 U2.5 | length 2.6
  Top Layer w0.203: R4.1@133,41.125 133,40.109 ccw(c135.06,40.109) U2.5@133.603,38.653
GPS_RF7: A2.1 C85.1 R4.2 | length 4
  Top Layer w0.191: A2.1@130.1,43 130.12,43.02 133.08,43.02 cw(c133.08,43) 133.1,43 ccw(c133.1,42.9) 133,42.9 R4.2@133,42.075
I\F\_\M\C\U\_\D\I\S\C\O\N\N\E\C\T\: Q1.2 Q2.2 R11.2 R69.2 SW6.2 U14.4 U14.8 U15.2 U15.10 U16.2 U30.6 U31.6 | length 187.1
  Top Layer w0.145: U14.4@73.101,35.621 72.746,35.621 72.39,35.265 72.39,34.343 73.017,33.715 73.492,33.715 74.601,34.825 74.601,35.184 U14.8@74.638,35.221
  Top Layer w0.15: Q2.2@11.552,56.821 v2(11.982,56.821) ; v3(11.622,58.091) 11.622,58.486 13.648,60.512 13.657,60.512
  Top Layer w0.203: Q1.2@10.677,61.042 10.677,61.427 10.897,61.647 12.522,61.647 13.657,60.512 14.199,59.97 15.215,59.97 17.013,58.172 v1(17.023,58.172) ; v1(17.399,52.353) 17.399,50.773 19.812,48.36 19.812,42.394 20.777,41.428 ; U30.6@21.515,38.881 21.064,38.881 20.777,39.168 20.777,41.428 ; U31.6@31.949,40.294 31.949,40.946 31.467,41.428 20.777,41.428 ; U15.2@56.921,24.957 57.48,24.957 v1@57.82,24.617 ; v1(57.866,19.502) 58.611,18.757 SW6.2@58.611,18.438 ; v1@57.88,24.557 58.971,24.557 59.112,24.416 v1(59.817,24.416) R69.2@60.452,24.416 ; v1@91.927,47.422 R11.2@92.501,47.422 ; U16.2@91.968,23.513 v1@91.968,24.38
  Mid-Layer 1 w0.15: v3(11.622,58.091) 11.622,57.181 v2(11.982,56.821)
  Mid-Layer 2 w0.203: v1(20.65,40.057) 21.463,40.87 24.027,40.87 25.626,39.271 44.442,39.271 46.577,37.137 54.978,37.137 57.267,34.849 v1(59.588,34.849) ; v1(59.817,24.416) 62.532,24.416 62.72,24.604 73.643,24.604 74.967,23.281 88.93,23.281 89.187,23.538 91.432,23.538 91.912,24.018 91.912,24.374 v1(91.923,24.385)
  Bottom Layer w0.203: v1(17.023,58.172) 17.023,58.162 18.034,57.151 18.034,52.988 v1(17.399,52.353) ; v1(57.866,19.502) v1(57.866,24.663) 57.866,29.564 59.588,31.286 v1(59.588,34.849) ; v1(72.415,34.188) 72.017,33.79 72.017,29.1 74.523,26.594 74.523,24.46 v1(74.219,24.155) ; v1(91.719,47.295) 91.719,39.229 92.946,38.003 92.946,34.96 91.818,33.832 91.818,33.149 90.194,31.525 90.194,25.642 91.451,24.385 v1(91.923,24.385)
IFSel0: Q2.3 R14.1 U4.83 | length 67.1
  Top Layer w0.203: Q2.3@10.677,57.296 10.852,57.471 Q2.3@11.552,57.471 Q2.3@11.622,57.471 ; Q2.3@11.627,57.471 12.531,57.471 R14.1@12.546,57.485 ; v1(12.546,56.993) R14.1@12.546,57.485 ; R14.1@12.562,57.501 R14.1@12.546,57.485 ; v1@45.593,23.001 45.595,22.999 49.989,22.999 U4.83@49.991,23.001
  Bottom Layer w0.203: v1(12.546,56.993) 12.546,56.977 12.192,56.623 12.192,53.451 15.477,50.166 36.473,50.166 38.1,48.539 38.1,42.472 45.593,34.979 v1(45.593,22.988)
IFSel1: Q1.3 R13.2 U4.84 | length 69.3
  Top Layer w0.203: v1(9.44,60.097) Q1.3@10.187,60.097 Q1.3@10.202,60.097 ; Q1.3@10.027,60.272 Q1.3@10.027,60.972 Q1.3@10.027,61.042 ; v1(11.449,55.483) 12.407,54.525 R13.2@12.584,54.525 12.745,54.525 13.036,54.234 13.036,54.201 13.56,53.677 13.593,53.677 v1(14.136,53.134) ; v1(46.148,23.496) 46.153,23.501 U4.84@49.358,23.501 U4.84@49.483,23.501
  Bottom Layer w0.203: v1(9.44,60.097) 11.449,58.088 v1(11.449,55.483) ; v1(14.136,53.134) 16.723,50.547 37.846,50.547 40.005,48.388 40.005,41.032 46.148,34.889 v1(46.148,23.496)
IMCU_BOOT: R83.1 SB19.2 U4.53 U16.15 | length 69
  Top Layer w0.203: U4.53@36.783,17.801 36.783,17.066 37.846,16.003 37.846,14.681 ; R83.1@37.414,14.676 37.84,14.676 37.846,14.681 ; v2(91.324,24.138) U16.15@90.943,24.138 90.035,24.138 89.705,24.468 89.06,24.468 87.826,23.233 82.928,23.233 82.216,22.521 77.817,22.521 76.937,21.641 76.937,18.889 76.058,18.01 71.173,18.01 68.998,15.836 65.078,15.836 62.157,12.915 40.934,12.915 39.65,14.199 38.075,14.199 37.846,14.427 37.846,14.681 ; v1(92.202,21.209) 92.387,21.209 92.688,21.51 SB19.2@92.837,21.659
  Mid-Layer 1 w0.203: v2(91.324,24.138) 92.202,23.26 v1(92.202,21.209)
IMCU_RESET: C47.2 J4.10 R25.1 TP17.1 U4.52 | length 20.1
  Top Layer w0.254: J4.10@28.321,20.448 27.917,20.044 27.917,17.649 R25.1@28.262,17.304 28.262,15.866 29.955,14.173 35.889,14.173 36.595,14.88 36.595,16.643 36.283,16.955 U4.52@36.283,17.926 v1(36.283,19.05)
  Bottom Layer w0.254: v1(36.283,19.05) TP17.1@36.283,20.65
IMCU_SWDCLK: J4.4 TP18.1 U4.34 | length 10
  Top Layer w0.254: J4.4@29.591,24.258 30.48,25.147 30.48,25.782 32.199,27.501 35.121,27.501 36.068,28.448 v1(36.068,28.746)
  Bottom Layer w0.254: v1(36.068,28.746) TP18.1@36.83,29.508 ; TP18.1@37.084,29.254 TP18.1@37.084,29.275
IMCU_SWDIO: J4.2 TP16.1 U4.37 | length 10.8
  Top Layer w0.254: J4.2@29.591,21.718 30.353,22.48 30.353,24.365 31.948,25.96 34.042,25.96 34.083,26.001 v4(35.715,26.001)
  Bottom Layer w0.254: v4(35.715,26.001) 35.722,26.001 TP16.1@36.957,24.766
IMCU_SWO: J4.6 TP19.1 U4.36 | length 7.7
  Top Layer w0.254: J4.6@28.321,25.528 v1(28.829,25.02) ; v1(33.067,26.501) U4.36@34.083,26.501
  Mid-Layer 2 w0.254: v1(28.829,25.02) 31.586,25.02 v1(33.067,26.501)
  Bottom Layer w0.254: v1(33.067,26.501) 34.12,26.501 TP19.1@34.163,26.544
INT_EXT: R65.1 U12.11 U13.11 | length 15.6
  Top Layer w0.15: U12.11@97.752,27.181 97.471,27.181 97.009,27.643 97.009,28.861 97.322,29.174 98.17,29.174 98.413,29.418 99.572,29.418 99.817,29.173 102.107,29.173 102.305,29.371 105.203,29.371 106.411,30.578 106.411,31.566 106.135,31.842 105.776,31.842 105.453,32.164 105.337,32.28 U13.11@104.609,32.28
IOEXP_EN: R54.2 U3.AC9 U12.2 U16.10 | length 32.3
  Top Layer w0.15: U16.10@92.368,25.163 92.374,25.169 92.374,25.699 v2(92.38,25.705) ; v2@98.73,27.181 U12.2@99.402,27.181 100.155,27.181 100.259,27.286 100.259,27.637 100.909,28.288 102.473,28.288 102.677,28.491 105.633,28.491 107.655,30.513 107.655,33.087 v2(107.442,33.299)
  Mid-Layer 1 w0.15: v2(92.38,25.705) 93.382,25.705 94.906,27.229 v2(98.73,27.229) ; v3(106.644,43.661) 106.644,43.354 108.23,41.768 108.23,39.916 107.438,39.124 107.438,33.358 107.442,33.354 v2(107.442,33.299)
IOEXP_IRQ: U12.12 U16.8 | length 6.6
  Top Layer w0.15: U16.8@93.393,24.938 v2(93.393,25.327) ; U12.12@97.752,26.781 98.358,26.781 v2(98.374,26.797)
  Mid-Layer 1 w0.15: v2(93.393,25.327) 94.863,26.797 v2(98.374,26.797)
LED1_EXT: U8.2 U13.7 | length 27.1
  Top Layer w0.15: v1(103.022,29.845) 103.472,30.295 103.678,30.295 103.949,30.567 103.949,30.586 103.984,30.621 U13.7@103.984,30.855 ; v1(107.975,13.894) 107.874,13.894 107.544,13.564 107.544,12.937 107.944,12.536 107.946,12.536 108.75,11.732 108.75,10.888 109.055,10.583 109.416,10.583 110.017,11.185 110.259,11.185 U8.2@110.273,11.199
  Mid-Layer 2 w0.15: v1(103.022,29.845) 103.472,30.295 103.895,30.295 104.173,30.017 104.173,29.684 104.158,29.67 104.158,29.659 103.974,29.474 103.974,27.098 104.606,26.466 104.606,22.587 104.733,22.46 107.25,19.943 107.25,15.353 106.825,14.928 106.825,14.536 107.467,13.894 v1(107.975,13.894)
LED2_EXT: U8.10 U13.8 | length 23.4
  Top Layer w0.15: v1(103.708,29.845) 104.371,30.508 104.371,30.842 U13.8@104.384,30.855 ; v1(108.001,13.132) 108.592,12.54 110.294,12.54 110.428,12.407 110.428,12.182 U8.10@110.442,12.168
  Mid-Layer 2 w0.15: v1(103.708,29.845) 103.699,29.836 103.699,26.984 104.331,26.352 104.331,22.473 104.458,22.346 106.975,19.829 106.975,15.467 106.55,15.042 106.55,14.175 107.593,13.132 v1(108.001,13.132)
LED3_EXT: U9.2 U13.9 | length 21.6
  Top Layer w0.15: U13.9@104.609,31.48 104.662,31.48 104.694,31.448 104.694,29.942 v1@104.623,29.87 ; U9.2@106.967,11.599 107.075,11.599 107.11,11.634 107.11,12.592 106.994,12.709 106.994,14.435 v1(107.292,14.733)
  Mid-Layer 2 w0.15: v1(104.623,29.845) 104.881,29.587 104.881,22.701 107.525,20.057 107.525,14.966 v1(107.292,14.733) ; v1@104.623,29.87 v1@104.635,29.858
LED4_EXT: U9.10 U13.10 | length 26.9
  Top Layer w0.15: U13.10@104.609,31.88 104.843,31.88 104.878,31.845 104.898,31.845 105.134,31.609 105.134,30.146 v1(105.232,30.048) ; U9.10@106.798,10.63 106.798,10.071 107.235,9.633 108.001,9.633 108.455,10.088 108.455,11.636 108.095,11.996 108.095,11.997 107.832,12.261 107.83,12.261 107.269,12.823 107.269,13.941 v1(107.895,14.568)
  Mid-Layer 2 w0.15: v1(105.232,30.048) 105.156,29.972 105.156,22.815 107.8,20.171 107.8,14.663 v1(107.895,14.568) ; v1@108.001,14.351 v1@108.001,14.568
LTE_RF1: J1.1 U1.61 | length 3.1
  Top Layer w0.191: U1.61@130.21,24.264 J1.1@133.34,24.264
MAGPIO0: TP5.1 U1.55 | length 5.9
  Top Layer w0.203: U1.55@130.21,21.264 131.682,21.264 133.136,19.81 TP5.1@135.5,19.81
MAGPIO1: TP6.1 U1.54 | length 6.6
  Top Layer w0.203: U1.54@130.21,20.764 131.718,20.764 133,19.482 134.018,19.482 TP6.1@135.595,17.905
MAGPIO2: TP7.1 U1.53 | length 8
  Top Layer w0.203: U1.53@130.21,20.264 131.754,20.264 132.864,19.154 133.882,19.154 134.747,18.289 134.747,16.753 TP7.1@135.5,16 ; TP7.1@135.547,16.048 TP7.1@135.595,16
MCU_LED: Q3.2 Q3.5 R17.1 U4.51 | length 5.9
  Top Layer w0.203: v2(32.36,16.383) Q3.2@32.965,16.383 ; Q3.5@34.715,16.383 35.005,16.383 v2(35.081,16.307) 35.103,16.285 R17.1@35.458,16.285 ; R17.1@35.458,16.262 R17.1@35.458,16.285 ; U4.51@35.783,17.926 35.783,16.758 35.458,16.434 R17.1@35.458,16.285
  Mid-Layer 1 w0.203: v2(32.36,16.383) 35.005,16.383 v2(35.081,16.307)
NetA1_1: A1.1 C86.2 L2.2
NetA3_1: A3.1 C32.2 L11.2 | length 1.6
  Top Layer w0.191: L11.2@105.23,61.627 A3.1@106.865,61.627
NetC7_1: C7.1 C8.1 C9.1 R3.2 U1.22 | length 5.3
  Top Layer w0.305: C9.1@112.861,18.728 114.486,18.728 115.09,19.332 U1.22@115.09,19.644
  Top Layer w0.5: R3.2@111.05,18.65 111.05,18.25 111.19,18.11 112.243,18.11 C9.1@112.861,18.728
NetC10_1: C10.1 R2.2 U1.32 | length 1.5
  Top Layer w0.15: R2.2@119.761,18.802 C10.1@120.345,18.802 120.345,18.999 120.09,19.254 U1.32@120.09,19.644
NetC14_2: C14.2 C15.2 R6.1 U2.3 | length 2
  Top Layer w0.2: U2.3@134.747,38.653 C14.2@134.747,39.534 ; C14.2@134.797,39.534 C14.2@134.8,39.537 C15.2@135.375,39.537 R6.1@135.95,39.537
NetC16_2: C16.2 C17.2 R8.2 U2.2 | length 2.9
  Top Layer w0.15: U2.2@135.247,38.653 135.247,38.819 135.513,39.085 136.163,39.085 C17.2@136.57,39.492 ; C17.2@136.495,39.492 C17.2@136.54,39.537 ; C17.2@136.615,39.537 C16.2@137.1,39.537 137.595,39.537 R8.2@137.675,39.457
NetC29_2: C29.2 L10.1 U3.H23 | length 2.4
  Top Layer w0.145: U3.H23@102.894,47.411 102.789,47.516 102.789,48.881 103.123,49.216
  Top Layer w0.191: 103.123,49.216 L10.1@103.123,49.651
NetC30_2: C30.2 F1.1 L10.2 | length 2.1
  Top Layer w0.191: L10.2@103.123,50.221 F1.1@103.123,52.287
NetC33_2: C33.2 U3.N24 | length 1.4
  Top Layer w0.25: U3.N24@104.144,47.911 104.144,48.013 C33.2@105.032,48.901
NetC46_1: C46.1 SB7.1 U4.12 | length 3
  Top Layer w0.254: SB7.1@40.564,34.6 SB7.1@40.595,34.6 41.357,34.6 41.517,34.44 C46.1@42.283,34.44 U4.12@42.283,33.201
NetC56_1: C56.1 D1.3 R56.1 U13.2 | length 3.9
  Top Layer w0.15: R56.1@100.615,34.849 100.655,34.809 D1.3@100.655,34.112 ; D1.3@100.66,33.954 C56.1@101.27,33.954 102.414,32.81 102.414,32.544 102.678,32.28 U13.2@102.959,32.28
NetC57_2: C57.2 D2.3 R58.1 U13.3 | length 3.3
  Top Layer w0.15: R58.1@100.615,33.376 100.655,33.336 D2.3@100.655,32.639 ; D2.3@100.66,32.481 C57.2@101.27,32.481 102.012,32.481 102.613,31.88 U13.3@102.959,31.88
NetC58_2: C58.2 D3.3 R60.1 U13.4 | length 3.2
  Top Layer w0.15: R60.1@100.615,31.902 100.655,31.862 D3.3@100.655,31.166 ; D3.3@100.66,31.008 C58.2@101.27,31.008 102.052,31.008 102.524,31.48 U13.4@102.959,31.48